# Altium PCB 58.13.0094_400_Rev00.PcbDoc (part 1 of 3)
Units mil, origin at the board's own origin, x right, y up, seen from the top; angles counter-clockwise.
Board outline 3149.45 x 3937.01 mil, 2 copper layers (Top Layer, Bottom Layer), stack 64.392 mil thick; 109 components, 100 nets, 482 pads, 698 vias.
Unrouted connection lines stored in the file: 3.
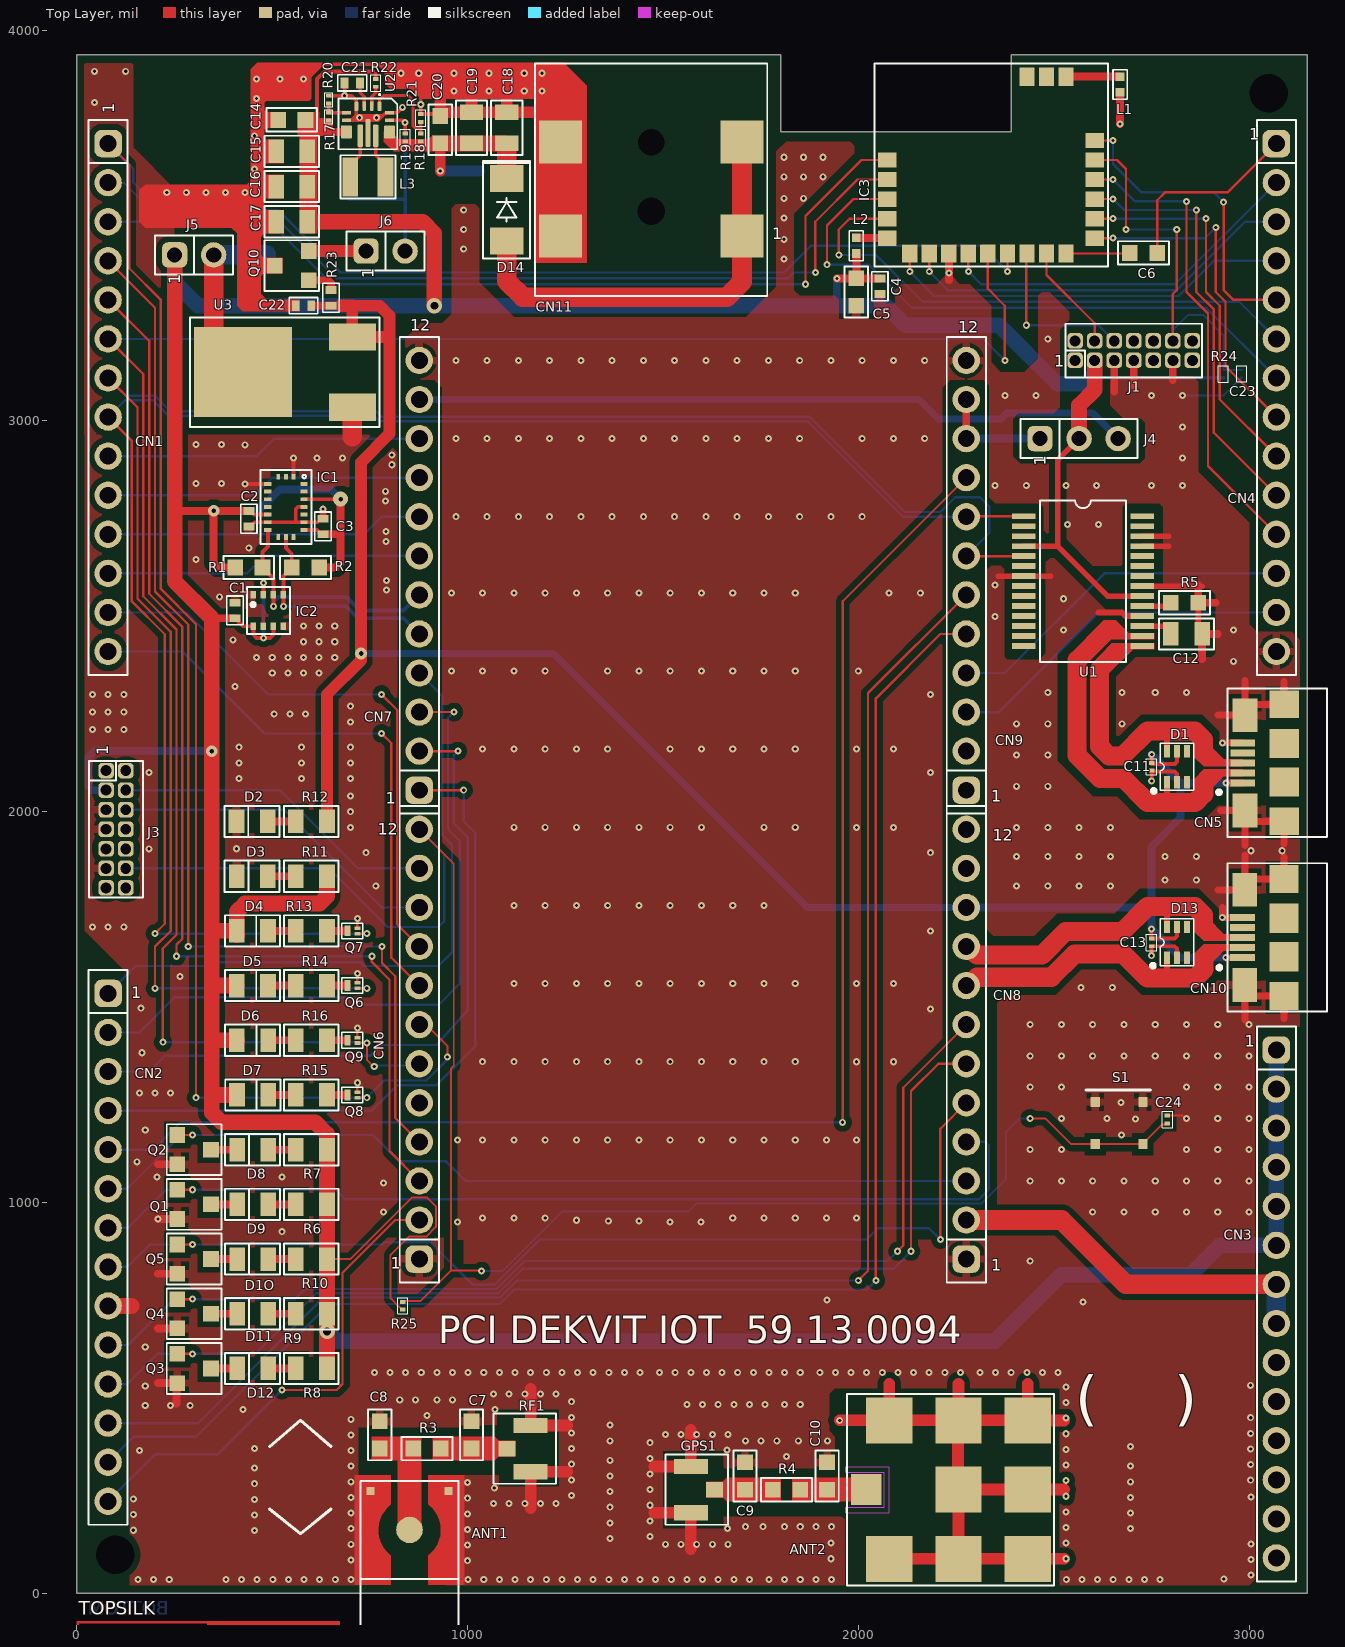
[diagram p0: Top Layer view]
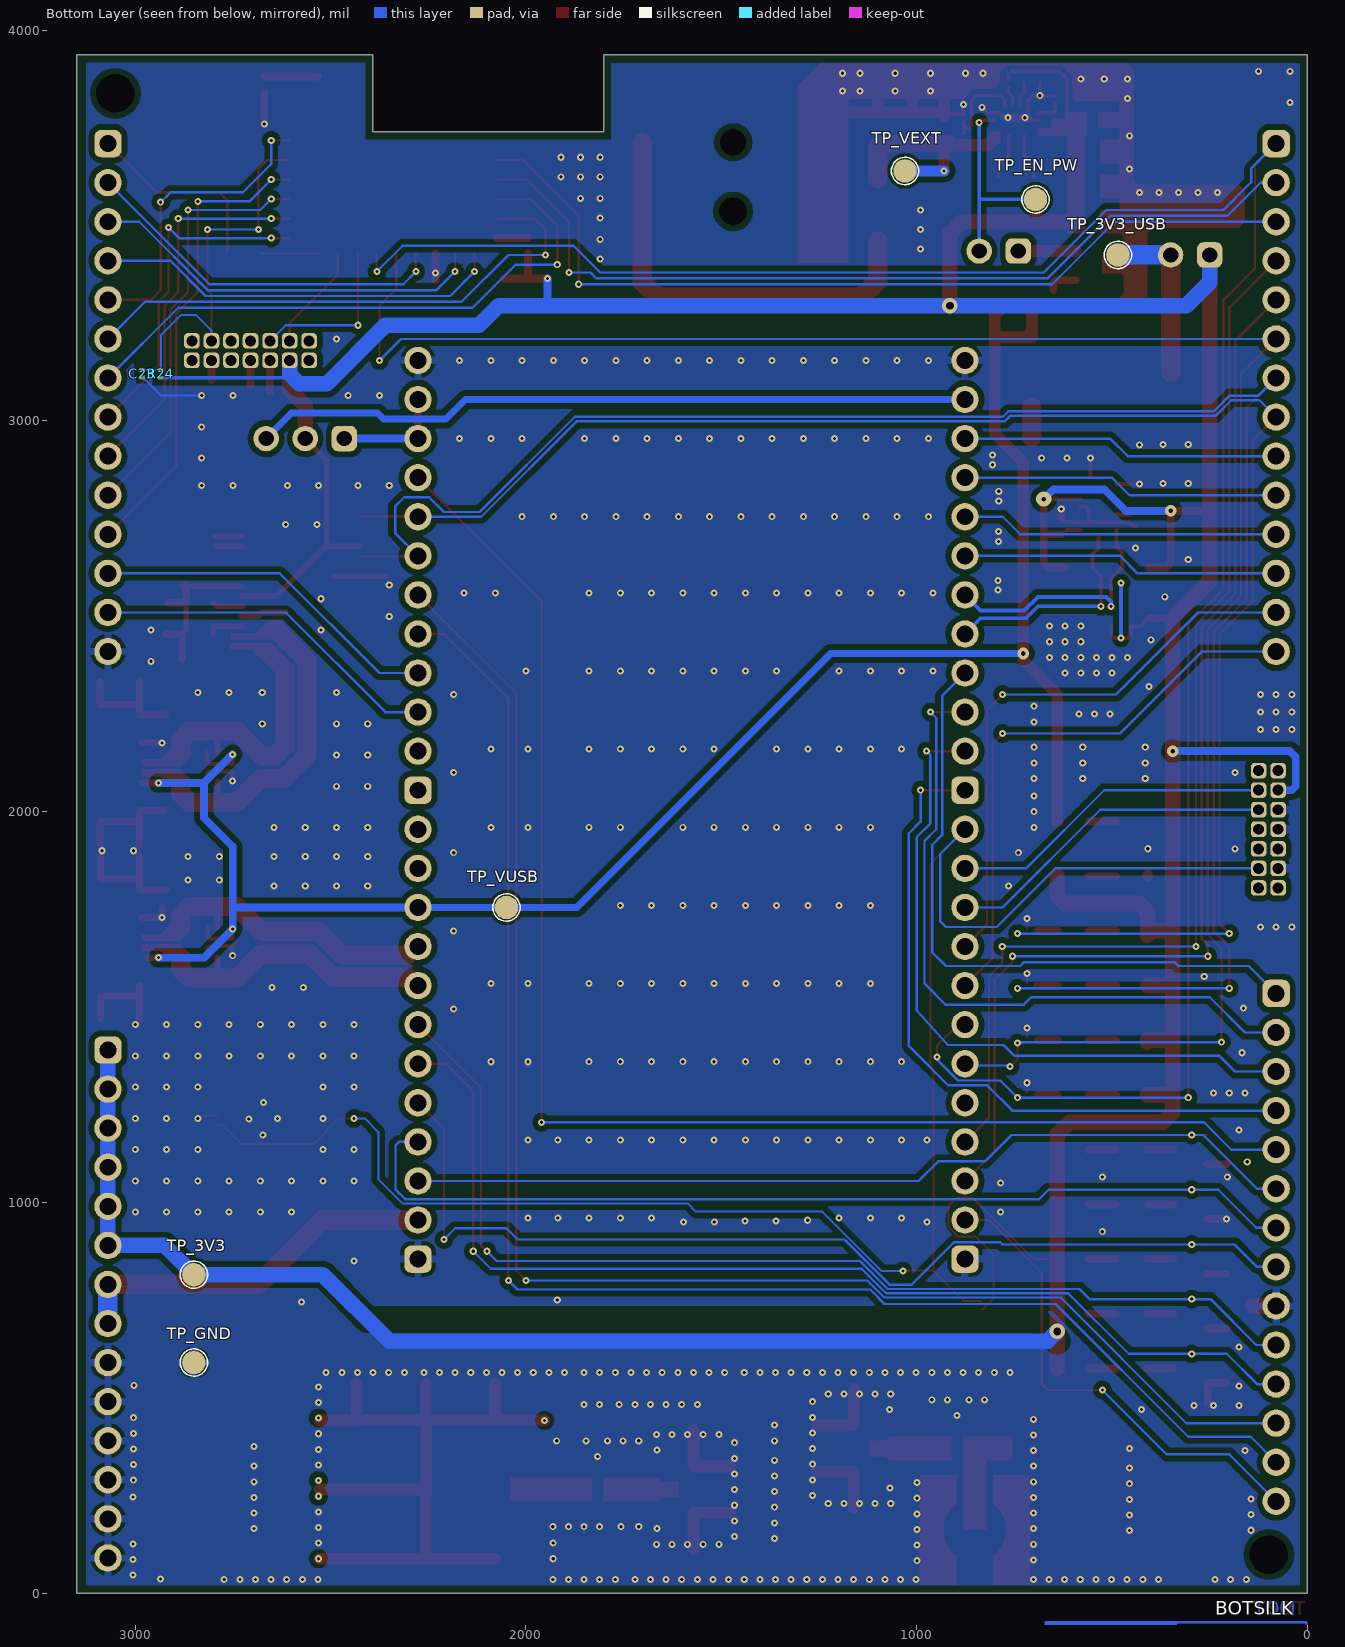
[diagram p1: Bottom Layer view, seen from below]

## Layer stack, top to bottom
Top Solder, Top Mask: solder mask 0.3937, Solder Resist, Dk 3.5
Top Layer: signal copper 0.7
Dielectric1: core 62.9921, FR-4, Dk 4.8
Bottom Layer: signal copper 0.7
Bottom Solder, Bot Mask: solder mask 0.3937, Solder Resist, Dk 3.5

## Board outline
0,0 0,3936.93 0,3937.01 1801.18,3937.01 1801.18,3740.16 2391.73,3740.16 2391.73,3937.01 3149.45,3937.01 3149.45,3936.93 3149.45,0

## Design rules (kind name [scope] priority, off if disabled: settings)
Clearance Clearance_POLYGONO [(InPolygonClass('All Polygons'))] p1: gap=15 ignorepadtopadclearanceinfootprint=FALSE
Clearance [All] p2: gap=5 ignorepadtopadclearanceinfootprint=FALSE
ComponentClearance [All] p1: gap=0 collisioncheckmode=3 verticalgap=0 showdistances=FALSE
DiffPairsRouting [All] p1: maxlimit=8 minlimit=8 mostfreqgap=8 toplayer_minwidth=49 toplayer_maxwidth=49 toplayer_prefwidth=49 bottomlayer_minwidth=49 bottomlayer_maxwidth=49 bottomlayer_prefwidth=49 maxuncoupledlength=500
HoleSize [All] p1: absolutevalues=TRUE maxlimit=200 minlimit=1 maxpercent=80.000 minpercent=20.000
HoleToHoleClearance [All] p1: gap=0 allowstackedmicrovias=TRUE
MinimumSolderMaskSliver [All] p1: minsoldermaskwidth=0
PlaneClearance [All] p1: clearance=15
PlaneConnect PlaneConnect_1 [ISVIA] p1: planeconnectstyle=Direct reliefexpansion=20 reliefentries=4 reliefconductorwidth=10 reliefairgap=10
PlaneConnect [All] p2: planeconnectstyle=Relief reliefexpansion=20 reliefentries=4 reliefconductorwidth=20 reliefairgap=20
PolygonConnect isvia [isvia] p1: connectstyle=Direct reliefconductorwidth=10 reliefentries=4 polygonreliefangle="90 Angle" airgapwidth=10
PolygonConnect [All] p2: thpad.connectstyle=Relief thpad.reliefconductorwidth=20 thpad.reliefentries=4 thpad.polygonreliefangle="90 Angle" thpad.airgapwidth=10 smdpad.connectstyle=Relief smdpad.reliefconductorwidth=20 smdpad.reliefentries=4 smdpad.polygonreliefangle="90 Angle" smdpad.airgapwidth=10 via.connectstyle=Direct via.reliefconductorwidth=20 via.reliefentries=4 via.polygonreliefangle="90 Angle" via.airgapwidth=10
RoomDefinition USB [InComponentClass('USB')] p1: confinementstyle=ConfineIn formatcopy=TRUE lockcomponents=FALSE outline -18523.62,-19415.08 -16523.62,-19415.08 -16523.62,-18415.08 -18523.62,-18415.08
RoomDefinition Sensors [InComponentClass('Sensors')] p2: confinementstyle=ConfineIn formatcopy=TRUE lockcomponents=FALSE outline -18523.62,-19415.08 -16523.62,-19415.08 -16523.62,-18415.08 -18523.62,-18415.08
RoomDefinition Main [InComponentClass('Main')] p3: confinementstyle=ConfineIn formatcopy=TRUE lockcomponents=FALSE outline -18523.62,-19415.08 -16523.62,-19415.08 -16523.62,-18415.08 -18523.62,-18415.08
RoomDefinition LEDs [InComponentClass('LEDs')] p4: confinementstyle=ConfineIn formatcopy=TRUE lockcomponents=FALSE outline -18523.62,-19415.08 -16523.62,-19415.08 -16523.62,-18415.08 -18523.62,-18415.08
RoomDefinition Interfaces [InComponentClass('Interfaces')] p5: confinementstyle=ConfineIn formatcopy=TRUE lockcomponents=FALSE outline -18523.62,-19415.08 -16523.62,-19415.08 -16523.62,-18415.08 -18523.62,-18415.08
RoomDefinition EXS82USB [InComponentClass('EXS82USB')] p6: confinementstyle=ConfineIn formatcopy=TRUE lockcomponents=FALSE outline -18523.62,-19415.08 -16523.62,-19415.08 -16523.62,-18415.08 -18523.62,-18415.08
RoomDefinition Designator [InComponentClass('Designator')] p7: confinementstyle=ConfineIn formatcopy=TRUE lockcomponents=FALSE outline -18523.62,-19415.08 -16523.62,-19415.08 -16523.62,-18415.08 -18523.62,-18415.08
RoomDefinition Bluetooth [InComponentClass('Bluetooth')] p8: confinementstyle=ConfineIn formatcopy=TRUE lockcomponents=FALSE outline -18523.62,-19415.08 -16523.62,-19415.08 -16523.62,-18415.08 -18523.62,-18415.08
RoomDefinition Antennas [InComponentClass('Antennas')] p9: confinementstyle=ConfineIn formatcopy=TRUE lockcomponents=FALSE outline -18523.62,-19415.08 -16523.62,-19415.08 -16523.62,-18415.08 -18523.62,-18415.08
RoutingCorners [All] p1: cornerstyle=45-Degree minsetback=25 maxsetback=25
RoutingVias [All] p1: holewidth=12 width=30 viastyle="Through Hole" minholewidth=8 minwidth=24 maxholewidth=20 maxwidth=50
SilkToSilkClearance [All] p1: silktosilkclearance=0
SilkToSolderMaskClearance SilkscreenOverComponentPads [IsPad] p1: minsilkscreentomaskgap=0 clearancetoexposedcopper=TRUE
SolderMaskExpansion [All] p1: expansion=0 istentingtop=FALSE
Width [All] p1: maxlimit=120 minlimit=1 preferedwidth=5
20 further rules are at their usual default settings.

## Classes and differential pairs
component class USB: C11 C12 CN5 D1 R5 U1
component class Sensors: C1 C2 C3 IC1 IC2 R1 R2
component class LEDs: D1O D2 D3 D4 D5 D6 D7 D8 D9 D11 D12 Q1 Q2 Q3 Q4 Q5 Q6 Q7 Q8 Q9 R6 R7 R8 R9 R10 R11 R12 R13 R14 R15 R16
component class Interfaces: CN1 CN2 CN3 CN4
component class EXS82USB: C13 CN10 D13
component class Designator: C14 C15 C16 C17 C18 C19 C20 C21 C22 CN11 D14 J5 J6 L3 Q10 R17 R18 R19 R20 R21 R22 R23 TP_3V3 TP_3V3_USB TP_EN_PW TP_GND TP_VEXT TP_VUSB U2 U3
component class Bluetooth: C4 C5 C6 C23 IC3 J1 L1 L2 R24
component class Antennas: ANT1 ANT2 C7 C8 C9 C10 GPS1 R3 R4 RF1
component class Main: C24 CN6 CN7 CN8 CN9 J3 J4 R25 S1

## Components (designator, comment, footprint, x,y, rotation, side; value= is the part's Value field where it differs from the comment)
ANT1 "28.21.0036" 28.21.0036 851.38,161.65 r0 top value=142-0711-301
ANT2 "50.42.0045" 50.42.0045 2256.38,264.92 r270 top
C1 "16.23.0333" 16.23.0333 405,2515 r270 top
C2 "16.23.0333" 16.23.0333 440,2750 r90 top
C3 "16.23.0333" 16.23.0333 630,2730 r270 top
C4 "16.23.0334" 16.23.0334 2055,3345 r90 top
C5 "16.23.0278" 16.23.0278 1995,3330 r90 top value=100nF
C6 "16.23.0156" 16.23.0156 2730,3430 r180 top
C7 "0603-CAP-NA" 0603-CAP-NA 1010,405 r270 top value=NC
C8 "0603-CAP-NA" 0603-CAP-NA 775,405 r270 top value=NC
C9 "0603-CAP-NA" 0603-CAP-NA 1710,300 r270 top value=NC
C10 "0603-CAP-NA" 0603-CAP-NA 1920,300 r270 top value=NC
C11 "16.23.0803" 16.23.0803 2750.6,2115 r90 top
C12 "16.23.0023" 16.23.0023 2840,2455 r180 top value=100nF
C13 "16.23.0803" 16.23.0803 2750.6,1665.62 r90 top
C14 "16.23.0733" 16.23.0733 550,3770.51 r0 top value=10uF/25V
C15 "16.23.0428" 16.23.0428 550,3690 r0 top
C16 "16.23.0428" 16.23.0428 550,3600 r0 top
C17 "16.23.0428" 16.23.0428 550,3510 r0 top
C18 "16.23.0735" 16.23.0735 1100,3750.51 r270 top value=10uF/25V
C19 "16.23.0735" 16.23.0735 1010,3750.51 r270 top value=10uF/25V
C20 "16.23.0733" 16.23.0733 930,3745.51 r270 top value=10uF/25V
C21 "16.23.0807" 16.23.0807 705,3865.51 r0 top value=100nF
C22 "16.23.0427" 16.23.0427 580,3295 r180 top
C23 "Adicionado" 0201#1 2981.79,3120.8 r90 top
C24 "Adicionado" 0201#2 2791.27,1212.12 r270 top
CN1 "28.14.0551" 28.14.0551 80,3060 r270 top
CN2 "28.14.0551" 28.14.0551 80,885 r270 top
CN3 "28.14.0551" 28.14.0551 3070,740 r270 top
CN4 "28.14.0551" 28.14.0551 3070,3060 r270 top
CN5 "28.14.0512" 28.14.0512 3090,2125 r90 top value=10118192-0001LF
CN6 "28.14.0552" 28.14.0552 876.38,1404.92 r90 top locked
CN7 "28.14.0552" 28.14.0552 876.38,2604.92 r90 top locked
CN8 "28.14.0552" 28.14.0552 2276.38,1404.92 r90 top locked
CN9 "28.14.0552" 28.14.0552 2276.38,2604.92 r90 top locked
CN10 "28.14.0512" 28.14.0512 3089.6,1678.05 r90 top value=10118192-0001LF
CN11 "28.39.0015" 28.39.0015 1470,3625 r270 top
D1 "32.27.0043" 32.27.0043 2815.59,2115 r0 top
D1O "32.17.0022" 32.17.0022 450,855 r180 top
D2 "32.17.0022" 32.17.0022 448.58,1975 r180 top
D3 "32.17.0022" 32.17.0022 448.82,1835 r180 top
D4 "32.17.0022" 32.17.0022 449.05,1695 r0 top
D5 "32.17.0022" 32.17.0022 449.05,1555 r0 top
D6 "32.17.0022" 32.17.0022 449.53,1415 r0 top
D7 "32.17.0022" 32.17.0022 449.76,1275 r0 top
D8 "32.17.0022" 32.17.0022 450,1135 r180 top
D9 "32.17.0022" 32.17.0022 450,995 r180 top
D11 "32.17.0022" 32.17.0022 450,715 r180 top
D12 "32.17.0022" 32.17.0022 450,575 r180 top
D13 "32.27.0043" 32.27.0043 2815.59,1665.63 r0 top
D14 "32.21.0028" 32.21.0028 1100,3540.51 r90 top value=FM4007
GPS1 "28.20.0019" 28.20.0019 1571.38,264.92 r90 top
IC1 "BMX055" 15.15.0010 535,2780 r270 top
IC2 "15.13.0029" 15.13.0029 490,2515 r90 top
IC3 "24.12.0085" 24.12.0085 2340,3655 r0 top
J1 "70.11.0077" 70.11.0077 2705,3180 r0 top value=HEADER2x7
J3 "70.11.0077" 70.11.0077 100,1955 r270 top value=HEADER2x7
J4 "70.11.0083" 70.11.0083 2565,2955 r0 top
J5 "70.11.0010" 70.11.0010 300,3425 r0 top
J6 "70.11.0010" 70.11.0010 790,3435 r0 top
L1 "40.12.0348" 40.12.0348 2669.81,3861.38 r270 top value=10nH
L2 "40.12.0348" 40.12.0348 1995.19,3448.62 r90 top value=10nH
L3 "40.12.0346" 40.12.0346 745,3625 r180 top value=1uH
Q1 "72.19.0021" 72.19.0021 300,995 r270 top
Q2 "72.19.0021" 72.19.0021 300,1135 r270 top
Q3 "72.19.0021" 72.19.0021 300,575 r270 top
Q4 "72.19.0021" 72.19.0021 300,715 r270 top
Q5 "72.19.0021" 72.19.0021 300,855 r270 top
Q6 "72.19.0071" 72.19.0071 705,1555 r90 top
Q7 "72.19.0071" 72.19.0071 705,1695 r90 top
Q8 "72.19.0071" 72.19.0071 705,1275 r90 top
Q9 "72.19.0071" 72.19.0071 705,1415 r90 top
Q10 "72.19.0021" 72.19.0021 550,3397.6 r90 top
R1 "66.24.0659" 66.24.0659 440,2625 r0 top value=4k7
R2 "66.24.0659" 66.24.0659 585,2625 r180 top value=4k7
R3 "66.24.1337" 66.24.1337 896,370 r180 top value=0R
R4 "66.24.1337" 66.24.1337 1816.38,264.92 r0 top value=0R
R5 "66.24.1337" 66.24.1337 2835,2535 r180 top value=0R
R6 "66.33.4700" 66.33.4700 600,995 r0 top value=470R
R7 "66.33.4700" 66.33.4700 600,1135 r0 top value=470R
R8 "66.33.4700" 66.33.4700 600,575 r0 top value=470R
R9 "66.33.4700" 66.33.4700 600,715 r0 top value=470R
R10 "66.33.4700" 66.33.4700 600,855 r0 top value=470R
R11 "66.33.4700" 66.33.4700 600,1835 r0 top value=470R
R12 "66.33.6800" 66.33.6800 600,1975 r0 top value=680R
R13 "66.33.4700" 66.33.4700 600,1695 r0 top value=470R
R14 "66.33.4700" 66.33.4700 600,1555 r0 top value=470R
R15 "66.33.4700" 66.33.4700 600,1275 r0 top value=470R
R16 "66.33.4700" 66.33.4700 600,1415 r0 top value=470R
R17 "66.21.1644" 66.21.1644 645,3779.06 r270 top value=470k
R18 "66.21.1646" 66.21.1646 880,3725.51 r90 top value="10k or NC"
R19 "66.21.1646" 66.21.1646 840,3725.51 r90 top value=10k
R20 "66.21.1645" 66.21.1645 645,3822.52 r90 top value=150k
R21 "66.21.1646" 66.21.1646 880,3775.51 r270 top value="10k or NC"
R22 "66.24.1346" 66.24.1346 765,3865.51 r90 top value=100K
R23 "66.24.1353" 66.24.1353 650,3315 r90 top value=4k7
R24 "Adicionado" 0201#1 2934.41,3120.62 r90 top value=47k
R25 "Adicionado" 0201#2 834.35,735.6 r90 top value=100k
RF1 "28.20.0019" 28.20.0019 1161.38,369.92 r270 top
S1 "Adicionado" PUSH_BUTTON 2606.35,1148.94 r0 top
TP_3V3 "TESTPOINT" TESTPOINT-60MILS 2850,815 r90 bottom
TP_3V3_USB "TESTPOINT" TESTPOINT-60MILS 485,3425 r90 bottom
TP_EN_PW "TESTPOINT" TESTPOINT-60MILS 696,3567 r90 bottom
TP_GND "TESTPOINT" TESTPOINT-60MILS 2850,590 r90 bottom
TP_VEXT "TESTPOINT" TESTPOINT-60MILS 1030,3640 r90 bottom
TP_VUSB "TESTPOINT" TESTPOINT-60MILS 2050,1754.92 r90 bottom
U1 "24.15.0642" 24.15.0642 2575,2590 r270 top value=FT232RL
U2 "26.24.0200" 26.24.0200 745,3760.51 r180 top value=TPS630702RNMR
U3 "26.24.0067" 26.24.0067 705,3125 r0 top value=MC33269DTRK-3.3

## Footprints (in the part's own frame and the unit in brackets; to place one, negate y for a bottom-side part, rotate by r counter-clockwise, add the part's x,y. Pads: shape width x height; smd on the part's side, far side on the other; paste and mask are expansions set on the pad)
15.13.0029 [mm] "SENSOR DE TEMPERATURA UMIDADE E PRESSAO - BME280"
  rect 0.5x0.35 smd: 1(1.025,0.975) 2(1.025,0.325) 3(1.025,-0.325) 4(1.025,-0.975) 5(-1.025,-0.975) 6(-1.025,-0.325) 7(-1.025,0.325) 8(-1.025,0.975)
  silkscreen extent -1.52,-1.4 1.52,1.4, body extent -1.25,-1.25 1.25,1.25, height 0.93
15.15.0010 [mm] "SENSOR ACELEROMETRO MAGNETOMETRO E GIROSCOPIO - BMX055"
  rect 0.25x0.475 smd: 1(-1.5,1.175) 2(-1,1.175) 3(-0.5,1.175) 4(0,1.175) 5(0.5,1.175) 6(1,1.175) 7(1.5,1.175) 11(1.5,-1.175) 12(1,-1.175) 13(0.5,-1.175) 14(0,-1.175) 15(-0.5,-1.175) 16(-1,-1.175) 17(-1.5,-1.175)
  rect 0.375x0.25 smd: 8(1.963,0.5) 9(1.963,0) 10(1.963,-0.5) 18(-1.963,-0.5) 19(-1.963,0) 20(-1.963,0.5)
  silkscreen extent -2.41,-1.65 2.41,1.65, body extent -2.25,-1.5 2.25,1.5, height 1.02
16.23.0023 [mil] "CC SMD 100NF 50V X7R 10% 0805"
  rect 40x60 smd: 1(-40,0) 2(40,0)
  Top Layer pour cut-out: -20,30 -20,-30 20,-30 20,30
  silkscreen extent -70,-40 70,40, body extent -39,-24 39,25, height 31
16.23.0156 [mil] "CC SMD 3,3PF 50V 5% 0603"
  rect 40x40 smd: 1(-35,0) 2(35,0)
  Top Layer pour cut-out: -15,20 -15,-20 15,-20 15,20
  silkscreen extent -65,-30 65,30, body extent -31,-16 32,16, height 12
16.23.0278 [mil] "CC X7R 100NF 16V 10% SMD 0603"
  rect 40x40 smd: 1(-35,0) 2(35,0)
  Top Layer pour cut-out: -15,20 -15,-20 15,-20 15,20
  silkscreen extent -65,-30 65,30, body extent -31,-16 32,16, height 12
16.23.0333 [mil] "CC 100NF 16V X5R 0402 SMD"
  rect 20x28 smd: 1(-20,0) 2(20,0)
  Top Layer pour cut-out: -10,14 -10,-14 10,-14 10,14
  silkscreen extent -37,-21 37,21, body extent -20,-12 20,12, height 8
16.23.0334 [mil] "CC 2.2UF 6.3V X5R 0402 SMD"
  rect 20x28 smd: 1(-20,0) 2(20,0)
  Top Layer pour cut-out: -10,14 -10,-14 10,-14 10,14
  silkscreen extent -37,-21 37,21, body extent -20,-12 20,12, height 8
16.23.0427 [mil] "CC MUL 10nF 16V C0G 10%  SMD 0402"
  rect 20x28 smd: 1(-20,0) 2(20,0)
  Top Layer pour cut-out: -10,14 -10,-14 10,-14 10,14
  silkscreen extent -37,-21 37,21, body extent -20,-12 20,12, height 8
16.23.0428 [mil] "CC MUL 22uF 16V X5R 20% SMD 0805"
  rect 40x60 smd: 1(-40,0) 2(40,0)
  Top Layer pour cut-out: -20,30 -20,-30 20,-30 20,30
  silkscreen extent -70,-40 70,40, body extent -39,-24 39,25, height 31
16.23.0733 [mil] "CAPACITOR CERAMICO MULTICAMADAS 10uF 25V X5R 20% SMD 0603"
  rect 40x40 smd: 1(-35,0) 2(35,0)
  Top Layer pour cut-out: -15,20 -15,-20 15,-20 15,20
  silkscreen extent -65,-30 65,30, body extent -31,-16 32,16, height 12
16.23.0735 [mil] "CAPACITOR CERAMICO MULTICAMADAS 10uF 25V X5R 10% SMD 0805"
  rect 40x60 smd: 1(-40,0) 2(40,0)
  Top Layer pour cut-out: -20,30 -20,-30 20,-30 20,30
  silkscreen extent -70,-40 70,40, body extent -39,-24 39,25, height 31
16.23.0803 [mil] "CAPACITOR CERAMICO 100nF 16V 10%% X5R SMD 0201"
  rect 10x14 smd: 1(-10,0) 2(10,0)
  Top Layer pour cut-out: -5,7 -5,-7 5,-7 5,7
  silkscreen extent -21,-13 21,13, body extent -12,-6 12,6, height 12
16.23.0807 [mil] "CAPACITOR CERAMICO MULTICAMADAS 100nF 50V X7R 10% SMD 0402"
  rect 20x28 smd: 1(-20,0) 2(20,0)
  Top Layer pour cut-out: -10,14 -10,-14 10,-14 10,14
  silkscreen extent -37,-21 37,21, body extent -20,-12 20,12, height 8
24.12.0085 [mm] "CI MODULO DE COMUNICACAO BLUETOOTH DE BAIXO CONSUMO"
  rect 1.2x1 smd: 1(-6.75,0.33) 2(-6.75,-0.94) 3(-6.75,-2.21) 4(-6.75,-3.48) 5(-6.75,-4.75) 15(6.75,-4.75) 16(6.75,-3.48) 17(6.75,-2.21) 18(6.75,-0.94) 19(6.75,0.33) 20(6.75,1.6)
  rect 1x1.2 smd: 6(-5.29,-5.75) 7(-4.02,-5.75) 8(-2.75,-5.75) 9(-1.48,-5.75) 10(-0.21,-5.75) 11(1.06,-5.75) 12(2.33,-5.75) 13(3.6,-5.75) 14(4.87,-5.75) 21(4.87,5.75) 22(3.6,5.75) 23(2.33,5.75)
  silkscreen extent -7.59,-6.6 7.59,6.6, body extent -6.75,-5.75 6.75,5.75, height 1.6
24.15.0642 [mil] "CID CONVERSOR USB PARA SERIAL SSOP-28"
  rect 15x60 smd: 1(-166.34,-151.57) 2(-140.75,-151.57) 3(-115.16,-151.57) 4(-89.57,-151.57) 5(-63.98,-151.57) 6(-38.39,-151.57) 7(-12.8,-151.57) 8(12.8,-151.57) 9(38.39,-151.57) 10(63.98,-151.57) 11(89.57,-151.57) 12(115.16,-151.57) 13(140.75,-151.57) 14(166.34,-151.57) 15(166.34,151.57) 16(140.75,151.57) 17(115.16,151.57) 18(89.57,151.57) 19(63.98,151.57) 20(38.39,151.57) 21(12.8,151.57) 22(-12.8,151.57) 23(-38.39,151.57) 24(-63.98,151.57) 25(-89.57,151.57) 26(-115.16,151.57) 27(-140.75,151.57) 28(-166.34,151.57)
  silkscreen extent -207,-110 207,110, body extent -201,-154 201,154, height 78
26.24.0067 [mil] "CIL REGULADOR DE TENSAO 3.3V SMD"
  rect 120x70 smd: 1(0,-90) 3(0,90)
  rect 250x230 smd: 2(-280,0)
  silkscreen extent -415,-140 70,140, body extent -393,-130 -11,130, height 91
26.24.0200 [mm] "CI REGULADOR TENSAO CHAV AJUST 2A16V 2A DESC SAIDA VQFN-HR"
  rrect40% 0.6x0.25 on Top Paste: 0(-1.4,0.775) 0(-1.4,0.275) 0(1.4,0.775) 0(1.4,0.275)
  rrect40% 0.6x0.25 on Top Solder: 0(-1.4,0.775) 0(-1.4,0.275) 0(1.4,0.775) 0(1.4,0.275)
  rrect40% 0.25x0.75 on Top Paste: 0(-1.225,0.525) 0(1.225,0.525)
  rrect40% 0.25x0.75 on Top Solder: 0(-1.225,0.525) 0(1.225,0.525)
  rrect40% 0.25x0.72 on Top Paste: 0(0,1.06) 1(0,0.14)
  rrect42% 0.24x0.6 smd: 1(-0.75,-1.15) 2(-0.25,-1.15) 3(0.25,-1.15) 4(0.75,-1.15)
  rrect40% 0.25x0.575 on Top Paste: 1(-0.5,1.163) 1(-0.5,0.388) 1(0.5,1.163) 1(0.5,0.388)
  rrect42% 0.6x0.24 smd: 5(1.4,-0.725) 6(1.4,-0.225) 14(-1.4,-0.225) 15(-1.4,-0.725)
  rrect17% 0.7x0.85 smd paste-0.35 mask-0.35: 7(1.4,0.525) 8(1.4,0.525) 12(-1.4,0.525) 13(-1.4,0.525)
  rrect42% 0.35x1.45 smd paste-0.18 mask-0.05: 9(0.5,0.775) 11(-0.5,0.775)
  rrect42% 0.35x1.8 smd paste-0.18 mask-0.05: 10(0,0.6)
  silkscreen extent -1.91,-1.95 1.91,1.65, body extent -1.5,-1.25 1.5,1.25, height 1
28.14.0512 [mm] "CONECTOR RECEPTOR USB2.0 MICRO B SMD R/A"
  rect 1.9x1.9 smd: 0(-1.25,0) 0(1.25,0)
  rect 0.45x1.6 smd: 1(-1.3,2.7) 2(-0.65,2.7) 3(0,2.7) 4(0.65,2.7) 5(1.3,2.7)
  rect 2.2x1.6 smd: 6(3.1,2.55) 9(-3.1,2.55)
  rect 1.8x1.9 smd: 7(3.8,0) 8(-3.8,0)
  silkscreen extent -4.83,-2.79 4.83,4.37, body extent -3.96,-2.83 3.96,2.83, height 2.7
28.14.0551 [mil] "CONECTOR HEADER FM 14 VIAS 180G P/PCB"
  rrect50% 70x70 hole 43.31: 1(-650,0)
  round 70 hole 43.31: 2(-550,0) 3(-450,0) 4(-350,0) 5(-250,0) 6(-150,0) 7(-50,0) 8(50,0) 9(150,0) 10(250,0) 11(350,0) 12(450,0) 13(550,0) 14(650,0)
  silkscreen extent -710,-50 710,50, body extent -708,-49 708,49, height 340
28.14.0552 [mil] "CONECTOR HEADER FM 12 VIAS 180G P/PCB"
  rrect50% 70x70 hole 43.31: 1(-550,0)
  round 70 hole 43.31: 2(-450,0) 3(-350,0) 4(-250,0) 5(-150,0) 6(-50,0) 7(50,0) 8(150,0) 9(250,0) 10(350,0) 11(450,0) 12(550,0)
  silkscreen extent -610,-50 610,50, body extent -608,-49 608,49, height 340
28.20.0019 [mm] "CONECTOR MICRO COAXIAL 50 OHM SMD"
  rect 1x1.1 smd: 1(0,-1.55)
  rect 1x2.2 smd: 2(-1.5,0) 3(1.5,0)
  Top Layer pour cut-out: -1,1.1 1,1.1 1,-1.1 0.6,-1.1 0.6,-0.9 -0.6,-0.9 -0.6,-1.1 -1,-1.1
  silkscreen extent -2.29,-2.41 2.29,1.65, body extent -1.3,-1.3 1.3,1.3, height 1.3
28.21.0036 [mil] "CONECTOR SMA JACK R/A 50 OHM SMD"
  round 68 smd: 1(0,0)
  rect 20x20 smd: 2(-100,100) 3(100,100)
  Top Layer region: 47.5,140 47.5,65.5 53.4,60.4 58.8,55.5 65.7,47.1 70.2,39.7 74,32.3 76.4,25.5 78.6,18 80.2,7.6 80.4,-2.2 79.4,-14.2 77.8,-21.1 75.4,-28.4 72.1,-36.2 68.8,-41.7 65.3,-47.1 61.5,-51.8 57.2,-56.7 52.7,-60.8 47.5,-65.2 47.5,-140 140.5,-140 140.5,140
  Top Layer region: -47.5,-140 -47.5,-65.5 -53.4,-60.4 -58.8,-55.5 -65.7,-47.1 -70.2,-39.7 -74,-32.3 -76.4,-25.5 -78.6,-18 -80.2,-7.6 -80.4,2.2 -79.4,14.2 -77.8,21.1 -75.4,28.4 -72.1,36.2 -68.8,41.7 -65.3,47.1 -61.5,51.8 -57.2,56.7 -52.7,60.8 -47.5,65.2 -47.5,140 -140.5,140 -140.5,-140
  silkscreen extent -125,-400 125,125, body extent -125,-400 125,125, height 327
28.39.0015 [mm] "CONECTOR ALIMENTACAO JACK  MODEL PJ-002AH - SMT -TR"
  round 0 hole 1.7 unplated: 0(-2.25,0)
  round 0 hole 1.8 unplated: 0(2.25,0)
  rect 2.8x2.8 smd: 1(-2.25,5.9) 1(3.85,5.9) 2(-2.25,-5.9) 3(3.85,-5.9)
  silkscreen extent -7.37,-7.54 7.75,7.54, body extent -7.25,-6.3 7.55,6.3, height 11
32.17.0022 [mil] "LED VERDE SMD 20MA 5V"
  rect 40x60 smd: A(-40,0) K(40,0)
  Top Layer pour cut-out: -20,30 -20,-30 20,-30 20,30
  silkscreen extent -70,-40 71,40, body extent -40,-25 40,25, height 44
32.21.0028 [mil] "DIODO RETIFICADOR 1A 1000V 1N4007 SMD DO-214AC"
  rect 70x85 smd: A(-80,0) K(80,0)
  silkscreen extent -125,-60 125,60, body extent -101,-53 100,52, height 84
32.27.0043 [mm] "DIODO SUPRESSOR 5.5V 10V SC88"
  rect 0.4x0.8 smd: 1(-0.65,-1) 2(0,-1) 3(0.65,-1) 4(0.65,1) 5(0,1) 6(-0.65,1)
  silkscreen extent -1.64,-1.7 1.1,1.52, body extent -1,-1.1 1,1.1, height 1.1
40.12.0346 [mil] "INDUTOR FIXO 1uH 20% 5A 36mOHM SMD 1008"
  rect 40x100 smd: 1(-45,0) 2(45,0)
  Top Layer pour cut-out: -25,50 -25,-50 25,-50 25,50
  silkscreen extent -71,-55 71,55, body extent -53,-46 53,46, height 45
40.12.0348 [mil] "INDUTOR FIXO 10nH 3% 500mA 260mOHM 0402"
  rect 22x22 smd: 1(-20,0) 2(20,0)
  silkscreen extent -38,-18 38,18, body extent -20,-12 19,12, height 20
50.42.0045 [mm] "ANTENA CERAMICA SMT PARA GPSL1"
  rect 3x3 smd: 1(-4.5,4.5) 2(0,4.5) 3(4.5,4.5) 4(-4.5,0) 5(0,0) 6(4.5,0) 7(-4.5,-4.5) 9(4.5,-4.5)
  rect 2x2 smd: 8(0,-6)
  Top Layer keep-out lines w0.01: 1.5,-7.341 1.5,-4.5 -1.5,-4.5 -1.5,-7.341 -1.143,-7.341 -1.143,-4.826 1.143,-4.826 1.143,-7.341 1.5,-7.341
  silkscreen extent -6.22,-7.24 6.22,6.22, body extent -6,-6 6,6, height 4
66.21.1644 [mil] "RESISTOR THICK FILM 470k OHMS 25V 0.05W 1% SMD 0201"
  rect 10x14 smd: 1(-10,0) 2(10,0)
  Top Layer pour cut-out: -5,7 -5,-7 5,-7 5,7
  silkscreen extent -18,-10 18,10, body extent -12,-6 12,6, height 12
66.21.1645 [mil] "RESISTOR THICK FILM 150k OHMS 25V 0.05W 1% SMD 0201"
  rect 10x14 smd: 1(-10,0) 2(10,0)
  Top Layer pour cut-out: -5,7 -5,-7 5,-7 5,7
  silkscreen extent -18,-10 18,10, body extent -12,-6 12,6, height 12
66.21.1646 [mil] "RESISTOR THICK FILM 10k OHMS 25V 0.05W 1% SMD 0201"
  rect 10x14 smd: 1(-10,0) 2(10,0)
  Top Layer pour cut-out: -5,7 5,7 5,-7 -5,-7
  silkscreen extent -21,-13 21,13, body extent -12,-6 12,6, height 12
66.24.0659 [mil] "RES MET 0,1W 4,7K OHMS 1% 100 PPM 50 V SMD 0603 PBF"
  rect 40x40 smd: 1(-35,0) 2(35,0)
  Top Layer pour cut-out: -15,20 15,20 15,-20 -15,-20
  silkscreen extent -65,-30 65,30, body extent -31,-16 32,16, height 12
66.24.1337 [mil] "RESISTOR THICK FILM 0,1W 0 OHMS SMD 0603"
  rect 40x40 smd: 1(-35,0) 2(35,0)
  Top Layer pour cut-out: -15,20 15,20 15,-20 -15,-20
  silkscreen extent -65,-30 65,30, body extent -31,-16 32,16, height 12
66.24.1346 [mil] "RESISTOR THICK FILM 50mW 100K OHMS 1% SMD 0201"
  rect 10x14 smd: 1(-10,0) 2(10,0)
  Top Layer pour cut-out: -5,7 5,7 5,-7 -5,-7
  silkscreen extent -21,-13 21,13, body extent -12,-6 12,6, height 12
66.24.1353 [mil] "RESISTOR THICK FILM 4k7 kOHMS 50V 0,1W 1% SMD 0402"
  rect 20x28 smd: 1(-20,0) 2(20,0)
  Top Layer pour cut-out: -10,14 10,14 10,-14 -10,-14
  silkscreen extent -37,-21 37,21, body extent -20,-12 20,12, height 8
66.33.4700 [mil] "RES MET 0,125W 470 OHMS 5% SMD 0805"
  rect 40x60 smd: 1(-40,0) 2(40,0)
  Top Layer pour cut-out: -20,30 20,30 20,-30 -20,-30
  silkscreen extent -70,-40 70,40, body extent -39,-25 39,25, height 31
66.33.6800 [mil] "RES MET 0,125W 680 OHMS 5% SMD 0805"
  rect 40x60 smd: 1(-40,0) 2(40,0)
  Top Layer pour cut-out: -20,30 20,30 20,-30 -20,-30
  silkscreen extent -70,-40 70,40, body extent -39,-25 39,25, height 31
70.11.0010 [mil] "BARRA DE TERMINAIS 1x2"
  rrect50% 65x65 hole 39: 1(-50,0)
  round 65 hole 39: 2(50,0)
  silkscreen extent -100,-50 100,50, body extent -100,-50 100,50, height 334
70.11.0077 [mil] "BARRA PINOS 2X7 2,54mm VERTICAL MACHO"
  rrect50% 40x40 hole 28: 1(-150,-25) 2(-150,25) 3(-100,-25) 4(-100,25) 5(-50,-25) 6(-50,25) 7(0,-25) 8(0,25) 9(50,-25) 10(50,25) 11(100,-25) 12(100,25) 13(150,-25) 14(150,25)
  silkscreen extent -175,-69 175,69, body extent -175,-66 175,67, height 161
70.11.0083 [mil] "BARRA TERMINAIS 180G 1X3 POSICOES 2,54MM"
  rrect50% 65x65 hole 39: 1(-100,0)
  round 65 hole 39: 2(0,0) 3(100,0)
  silkscreen extent -150,-50 150,50, body extent -150,-50 150,50, height 334
72.19.0021 [mil] "TRANSISTOR MOSFET N 60V 115MA 0.2W SMD"
  rect 40x40 smd: 1(-37.4,-43.31) 2(37.4,-43.31) 3(0,43.31)
  silkscreen extent -65,-70 65,70, body extent -57,-49 57,48, height 41
72.19.0071 [mm] "MOSFET CANAL P SMD 30V 230mA SOT883B"
  rect 0.229x0.4 smd: 1(-0.178,-0.325) 2(0.178,-0.325)
  rect 0.7x0.4 smd: 3(0,0.325)
  silkscreen extent -0.51,-0.69 0.51,0.69, body extent -0.3,-0.5 0.3,0.5, height 0.4
0201#1 [mil] "Adicionado"
  rect 10x14 smd far side: 1(-10,0) 2(10,0)
  Top Layer pour cut-out: -5,7 -5,-7 5,-7 5,7
  silkscreen extent -21,-13 21,13, body extent -12,-6 12,6, height 12
0201#2 [mil] "Adicionado"
  rect 10x14 smd: 1(-10,0) 2(10,0)
  Top Layer pour cut-out: -5,7 -5,-7 5,-7 5,7
  silkscreen extent -21,-13 21,13, body extent -12,-6 12,6, height 12
0603-CAP-NA [mil] "CAPACITOR ABERTO"
  rect 40x40 smd: 1(-35,0) 2(35,0)
  Top Layer pour cut-out: -15,20 -15,-20 15,-20 15,20
  silkscreen extent -65,-30 65,30, body extent -31,-16 32,16, height 12
PUSH_BUTTON [mm]
  rect 0.6x0.65 smd: 1(0,2.75) 1(3.1,2.75) 2(0,0) 2(3.1,0)
  silkscreen extent -0.58,3.53 3.61,3.53, body extent -0.29,-0.45 3.41,3.25, height 0.3
TESTPOINT-60MILS [mil]
  round 60 smd: 1(0,0)
  silkscreen extent -35,-35 35,35

## Part data
ANT1: "CONECTOR SMA JACK R/A 50 OHM SMD"
ANT2: "ANTENA CERAMICA SMT PARA GPSL1"
C1 C2 C3: "CC 100NF 16V X5R 0402 SMD"
C4: "CC 2.2UF 6.3V X5R 0402 SMD"
C5: "CC X7R 100NF 16V 10% SMD 0603"
C6: "CC SMD 3,3PF 50V 5% 0603"
C7 C8 C9 C10: "CAPACITOR ABERTO"
C11 C13: "CAPACITOR CERAMICO 100nF 16V 10%% X5R SMD 0201"
C12: "CC SMD 100NF 50V X7R 10% 0805"
C14 C20: "CAPACITOR CERAMICO MULTICAMADAS 10uF 25V 20% SMD 0603 X5R", Part Number=GRM188R61E106MA73, Fabricante=Murata
C15 C16 C17: "CC MUL 22uF 16V X5R 20% SMD 0805"
C18 C19: "CAPACITOR CERAMICO MULTICAMADAS 10uF 25V 10% SMD 0805 X5R", Part Number=GRM21BR61E106KA73, Fabricante=Murata
C21: "CAPACITOR CERAMICO MULTICAMADAS 100nF 50V X7R 10% SMD 0402"
C22: "CC MUL 10nF 16V C0G 10%  SMD 0402"
C23: library part 02013D103KAT2A, "CAPACITOR CERAMICO 10nF 25V 10% C0G SMD 0201"
C24: library part 0201X104J100CT, "CAPACITOR CERAMICO 100nF 10V 5% X5R SMD 0201"
CN1 CN2 CN3 CN4: "CONECTOR HEADER FM 14 VIAS 180G P/PCB"
CN5 CN10: "CONN USB MICRO B RECPT SMT R/A"
CN6 CN7 CN8 CN9: "CONECTOR HEADER FM 12 VIAS 180G P/PCB"
CN11: "CONECTOR ALIMENTACAO JACK  MODEL PJ-002AH - SMT -TR", CUI INC=PJ-002AH
D1 D13: "DIODO SUPRESSOR 5.5V 10V SC88"
D1O D2 D3 D4 D5 D6 D7 D8 D9 D11 D12: "LED VERDE SMD 20MA 5V"
D14: "DIODO RETIFICADOR 1A 1000V 1N4007 SMD DO-214AC", Part Number=FM4007, Parameter 1=RECTRON
GPS1 RF1: "CONECTOR MICRO COAXIAL 50 OHM SMD"
IC1: library part 15.15.0010, "SENSOR ACELEROMETRO MAGNETOMETRO E GIROSCOPIO - BMX055"
IC2: "SENSOR DE TEMPERATURA UMIDADE E PRESSAO - BME280"
IC3: "CI MODULO DE COMUNICACAO BLUETOOTH DE BAIXO CONSUMO"
J1 J3: "BARRA PINOS 2X7 1,27mm VERTICAL MACHO", Manufactor="AMPHENOL FCI", Part Number=67997-428HLF
J4: "BARRA TERMINAIS 180G 1X3 POSICOES 2,54MM"
J5 J6: "BARRA DE TERMINAIS 1x2"
L1 L2: "INDUTOR FIXO 10nH 3% 500mA 260mOHM 0402", Manufactor=MURATA, Part Number=LQG15HS10NH02D
L3: "INDUTOR FIXO 1uH 20% 5A 36mOHM SMD 1008"
Q1 Q2 Q3 Q4 Q5 Q10: "TRANSISTOR MOSFET N 60V 115MA 0.2W SMD"
Q6 Q7 Q8 Q9: "MOSFET CANAL P SMD 30V 230mA SOT883B"
R1 R2: "RES MET 0,1W 4,7K OHMS 1% 100 PPM 50 V SMD 0603 PBF"
R3 R4 R5: "RESISTOR THICK FILM 0,1W 0 OHMS SMD 0603"
R6 R7 R8 R9 R10 R11 R13 R14 R15 R16: "RES MET 0,125W 470 OHMS 5% SMD 0805"
R12: "RES MET 0,125W 680 OHMS 5% SMD 0805"
R17: "RESISTOR THICK FILM 470k OHMS 25V 0.05W 1% SMD 0201"
R18 R19 R21: "RESISTOR THICK FILM 10k OHMS 25V 0.05W 1% SMD 0201"
R20: "RESISTOR THICK FILM 150k OHMS 25V 0.05W 1% SMD 0201"
R22: "RESISTOR THICK FILM 50mW 100K OHMS 1% SMD 0201"
R23: "RESISTOR THICK FILM 4k7 kOHMS 50V 0,1W 1% SMD 0402", Manufactor=PANASONIC, Part Number=ERJ-2RKF4701X
R24: library part CRCW020147K0FNED, "RESISTOR THICK FILM 47k OHMS 30V 50mW 1% SMD 0201"
R25: library part RC0201FR-07100KL, "RESISTOR THICK FILM 100k OHMS 25V 50mW 1% SMD 0201"
S1: library part "Push Button", "TACTILE SWITCH SPST 0.05A 12VDC SMD", Current Rating=50mA, Manufacturer="C&K Switches", Operating Force=230gf, Part Number=PTS540JK035SMTRLFS, Supplier Part Number 1=611-PTS540JK035SMTRL, Voltage Rating (DC)=12V, Bounce time (MAX)=10ms, Category="Tactile Switches", ComponentLink1Description=Datasheet, ComponentLink1URL=https://www.mouser.com/datasheet/2/60/pts540-1841856.pdf, ComponentLink2Description="Mouser Link", ComponentLink2URL=https://www.mouser.com/ProductDetail/CK/PTS540JK035SMTRLFS?qs=nsc5Ve2%252BdoHscnqTjIh87g%3D%3D, Library Control - Checked Footprint=Yes, Library Control - Checked Schematic=Yes, Library Control - Person that Checked Footprint=Nícolas, Library Control - Person that Checked Schematic=Nícolas, Library Control - Person that did the Last Update Schematic=Nícolas, Library Ref=Diversos, Orientation=Straight, Pricing 1="1=0,18, 10=0,174, 100=0,15, 500=0,122, 1000=0,103 (USD)", Supplier 1=Mouser, Switch Function=Off-On, Throw Configuration=SPST
TP_3V3 TP_3V3_USB TP_EN_PW TP_GND TP_VEXT TP_VUSB: library part TESTPOINT-60MILS, "PONTO DE TESTE PARA CAMA DE PREGO"
U1: "CID CONVERSOR USB PARA SERIAL SSOP-28", Manufactor=FTDI, Part Number=FT232RL
U2: "CI REGULADOR TENSAO CHAV AJUST 2A16V 2A DESC SAIDA VQFN-HR"
U3: "CIL REGULADOR DE TENSAO 3.3V SMD"

## Free pads (board coordinates)
  round 39.37 hole 98.43 unplated: 0(98.43,98.43) 0(3051.02,3838.5)

## Via types
v1: diameter 18, hole 8, Top Layer to Bottom Layer, tented both sides, 692 vias
v2: diameter 30, hole 12, Top Layer to Bottom Layer, tented both sides, 3 vias
v3: diameter 40, hole 20, Top Layer to Bottom Layer, tented both sides, 2 vias
v4: diameter 39, hole 12, Top Layer to Bottom Layer, tented both sides, 1 vias

## Nets (pads, with @x,y where several pads share a name; then routed paths per layer and width w, separated by ;. In a path a pad name is that pad's centre, name@x,y a point inside that pad or via, vN(x,y) a via of type N, cw(c..) or ccw(c..) an arc to the next point about the centre after c; other vN are vias at no path point)
3V3: C1.2 C2.2 C3.2 C4.2 C5.2 C14.2 C15.2 C16.2 C17.2 CN3.1 CN3.2 CN3.3 CN3.4 CN3.5 CN3.6 D4.A D5.A D6.A D7.A IC1.3 IC1.7 IC1.13 IC2.2 IC2.6 IC2.8 J1.3 J3.3 J4.2 J5.1 L2.1 R1.1 R2.1 R6.2 R7.2 R8.2 R9.2 R10.2 R11.2 R17.2 R22.2 R24.1 R25.1 TP_3V3.1 U2.7 U2.8 | length 14349
  Top Layer w5: R10.2@640,855 700.15,855 857.15,1012 896.99,1012 918.88,990.11 918.88,937.32 893.98,912.42 849.38,912.42 803,866.04 803,754.34 824.24,733.1 824.85,733.1 832.35,725.6 R25.1@834.35,725.6
  Top Layer w10: C1.2@405,2495 409,2495 414,2490 414,2486 425.35,2474.65 IC2.8@451.61,2474.65 451.61,2453.39 460,2445 v1(477.5,2445) 495,2445 502.8,2452.8 IC2.6@502.8,2474.65 ; C2.2@440,2770 444,2770 453.69,2760.32 IC1.13@488.74,2760.32 ; IC2.2@477.2,2555.35 v1(477.2,2585) ; IC1.7@581.26,2720.95 615.14,2720.95 621,2715.09 621,2715 626,2710 C3.2@630,2710 ; IC1.3@581.26,2799.69 v4@675,2799.69 ; 615,3770.51 615,3875 635,3895 758,3895 ; R22.2@765,3875.51 765,3888
  Top Layer w14: 2423.43,2679.57 2510.43,2679.57 ; J4.2@2565,2955 2510.43,2900.43 2510.43,2679.57 ; 2726.57,2551.61 2638.39,2551.61 2510.43,2679.57
  Top Layer w20: J3.3@71.16,2058.84 J3.3@75,2055 ; 270,2770 C2.2@440,2770 ; 345,2495 C1.2@405,2495 ; v2(350,2770) 350,2636.72 361.72,2625 R1.1@405,2625 ; R2.1@620,2625 663.28,2625 675,2636.72 675,2710 ; C3.2@630,2710 675,2710 ; v4@675,2799.69 675,2710 ; v1(1945,3365) C5.2@1995,3365 C5.2@1995.19,3365 ; L2.1@1995.19,3428.62 C5.2@1995.19,3365 ; C4.2@2055,3365 C5.2@1995.19,3365
  Top Layer w40: J5.1@250,3425 250,2590 345,2495 v2(345,2155) 345,1695 345,1230 370,1205 610,1205 640,1175 R7.2@640,1135 R6.2@640,995 R10.2@640,855 640,670.35 v3(640.37,669.98) 640,669.61 R8.2@640,575 ; 345,1555 D5.A@409.05,1555 ; 345.71,1415 D6.A@409.53,1415 ; 345.95,1275 D7.A@410,1275 ; 350,1695 D4.A@409.05,1695 409.05,1744.05 430,1765 621.57,1765 640,1783.43 R11.2@640,1835 ; D4.A@409.05,1685 D4.A@409.76,1684.29 ; D6.A@409.53,1410 D6.A@409.53,1415 ; D6.A@409.76,1415 D6.A@409.53,1415 ; C17.2@590,3510 885,3510 915,3480 v3(915,3295) ; J4.2@2565,2955 2565,3040 2605,3080 J1.3@2605,3155
  Bottom Layer w5: 2605,3120 2614.38,3110.62
  Bottom Layer w10: v1@477.2,2445.3 v1(477.2,2585) ; 2614.38,3110.62 R24.1@2934.41,3110.62
  Bottom Layer w20: J3.3@75,2055 40,2055 30,2065 30,2140 45,2155 v2(345,2155) ; v2(350,2770) 465,2770 520,2825 650,2825 v4(675,2800) ; 1945,3295 v1(1945,3365)
  Bottom Layer w40: J5.1@250,3425 250,3355 310,3295 v3(915,3295) 1945,3295 2070,3295 2120,3245 2360,3245 2510,3095 2580,3095 2605,3120 J1.3@2605,3155 ; v3(640.37,669.98) 665.35,645 2350,645 2520,815 TP_3V3.1@2850,815 2925,890 CN3.6@3070,890 CN3.5@3070,990 CN3.4@3070,1090 CN3.3@3070,1190 CN3.2@3070,1290 CN3.1@3070,1390
3V3_PCIC: CN7.11 J4.3 | length 1842.4
  Bottom Layer w18: CN7.11@876.38,3054.92 2155.08,3054.92 2205,3005 2365,3005 2380,3020 2600,3020 J4.3@2665,2955
ADC1_BLE: CN1.2 IC3.2 | length 2276.7
  Top Layer w6: v1(1890,3380) 1890,3510 1997.99,3617.99 IC3.2@2074.25,3617.99
  Bottom Layer w6: CN1.2@80,3610 120,3610 205,3525 505,3525 665,3365 1820,3365 1835,3380 v1(1890,3380)
ADC2_BLE: CN1.3 IC3.1 | length 2294.8
  Top Layer w6: v1(1865,3350) 1865,3525 2007.99,3667.99 IC3.1@2074.25,3667.99
  Bottom Layer w6: CN1.3@80,3510 492.95,3510 652.95,3350 v1(1865,3350)
BLE_DIO6: CN4.2 IC3.9 | length 955.6
  Top Layer w6: v1(2281.73,3382.36) IC3.9@2281.73,3428.62
  Bottom Layer w6: v1(2281.73,3382.36) 2314.09,3350 2810,3350 CN4.2@3070,3610
BLE_DIO7: CN4.3 IC3.7 | length 1026.6
  Top Layer w6: v1(2181.73,3382.36) IC3.7@2181.73,3428.62
  Bottom Layer w6: v1(2181.73,3382.36) 2229.09,3335 2815,3335 2990,3510 CN4.3@3070,3510
BLE_DIO12: CN4.5 IC3.20 | length 800.2
  Top Layer w6: IC3.20@2605.75,3717.99 v1(2652.01,3717.99) ; v1(2935,3560) 2935,3335 2960,3310 CN4.5@3070,3310
  Bottom Layer w6: v1(2652.01,3717.99) 2652.01,3657.99 2725,3585 2910,3585 v1(2935,3560)
BLE_DIO14: CN4.4 IC3.6 | length 1047.6
  Top Layer w6: v1(2131.73,3382.36) IC3.6@2131.73,3428.62
  Bottom Layer w6: v1(2131.73,3382.36) 2194.09,3320 2820,3320 2910,3410 CN4.4@3070,3410
BLE_MISO: CN4.9 IC3.16 | length 966.8
  Top Layer w6: IC3.16@2605.75,3517.99 v1(2652.01,3517.99) ; v1(2890,3517.99) 2890,3330 2925,3295 2925,3055 CN4.9@3070,2910
  Bottom Layer w6: v1(2652.01,3517.99) v1(2890,3517.99)
BLE_MOSI: CN4.10 IC3.17 | length 1085.8
  Top Layer w6: IC3.17@2605.75,3567.99 v1(2652.01,3567.99) ; v1(2865,3540) 2865,3330 2910,3285 2910,2970 CN4.10@3070,2810
  Bottom Layer w6: v1(2652.01,3567.99) 2680,3540 v1(2865,3540)
BLE_RX: CN1.1 CN6.7 IC3.11 Q8.1 | length 5933.1
  Top Layer w5: CN6.7@876.38,1454.92 893.97,1454.92 948.04,1400.85 v1(948.04,1372.39)
  Top Layer w6: CN1.1@80,3710 134,3656 134,3391 215,3310 215,2570 305,2480 v1(305,1268) ; Q8.1@717.8,1268 v1(742,1268) ; v1(2381.73,3382.36) IC3.11@2381.73,3428.62
  Bottom Layer w6: CN1.1@80,3710 144,3646 144,3611 215,3540 515,3540 675,3380 1810,3380 1878.62,3448.62 2315.48,3448.62 v1(2381.73,3382.36) ; v1(305,1268) v1(742,1268) 785.92,1311.92 894.19,1311.92 945.74,1363.48 945.74,1370.09 v1(948.04,1372.39)
BLE_SPI_CLK: CN4.8 IC3.15 | length 869.6
  Top Layer w6: IC3.15@2605.75,3467.99 v1(2652.01,3467.99) ; v1(2915,3495) 2915,3330 2940,3305 2940,3140 CN4.8@3070,3010
  Bottom Layer w6: v1(2652.01,3467.99) 2887.99,3467.99 v1(2915,3495)
BLE_SPI_CS: CN4.11 IC3.18 | length 1204.7
  Top Layer w6: IC3.18@2605.75,3617.99 v1(2652.01,3617.99) ; v1(2840,3562.01) 2840,3330 2895,3275 2895,2885 CN4.11@3070,2710
  Bottom Layer w6: v1(2652.01,3617.99) 2707.99,3562.01 v1(2840,3562.01)
BLE_TEST1: C6.1 CN4.1 | length 500.1
  Top Layer w6: C6.1@2765,3430 2765,3565 2785,3585 2945,3585 CN4.1@3070,3710
BLE_TX: CN1.6 CN6.6 IC3.10 Q9.1 | length 5230.8
  Top Layer w5: v1(742,1408) 742,1364.65 758.57,1348.08 v1(761.11,1348.08)
  Top Layer w6: CN1.6@80,3210 170,3120 170,2551.36 255,2466.36 255,1685 220,1650 v1(220,1410) ; Q9.1@717.8,1408 v1(742,1408) ; IC3.10@2331.73,3428.62 2331.73,3338.27 2375,3295 v1(2375,3155)
  Bottom Layer w5: v1(761.11,1348.08) 763.6,1350.57 872.02,1350.57 CN6.6@876.38,1354.92
  Bottom Layer w6: CN1.6@80,3210 2320,3210 v1(2375,3155) ; v1(220,1410) 740,1410 v1(742,1408)